# Altium PCB Graviton-EC2.PcbDoc (part 1 of 12) (continued)
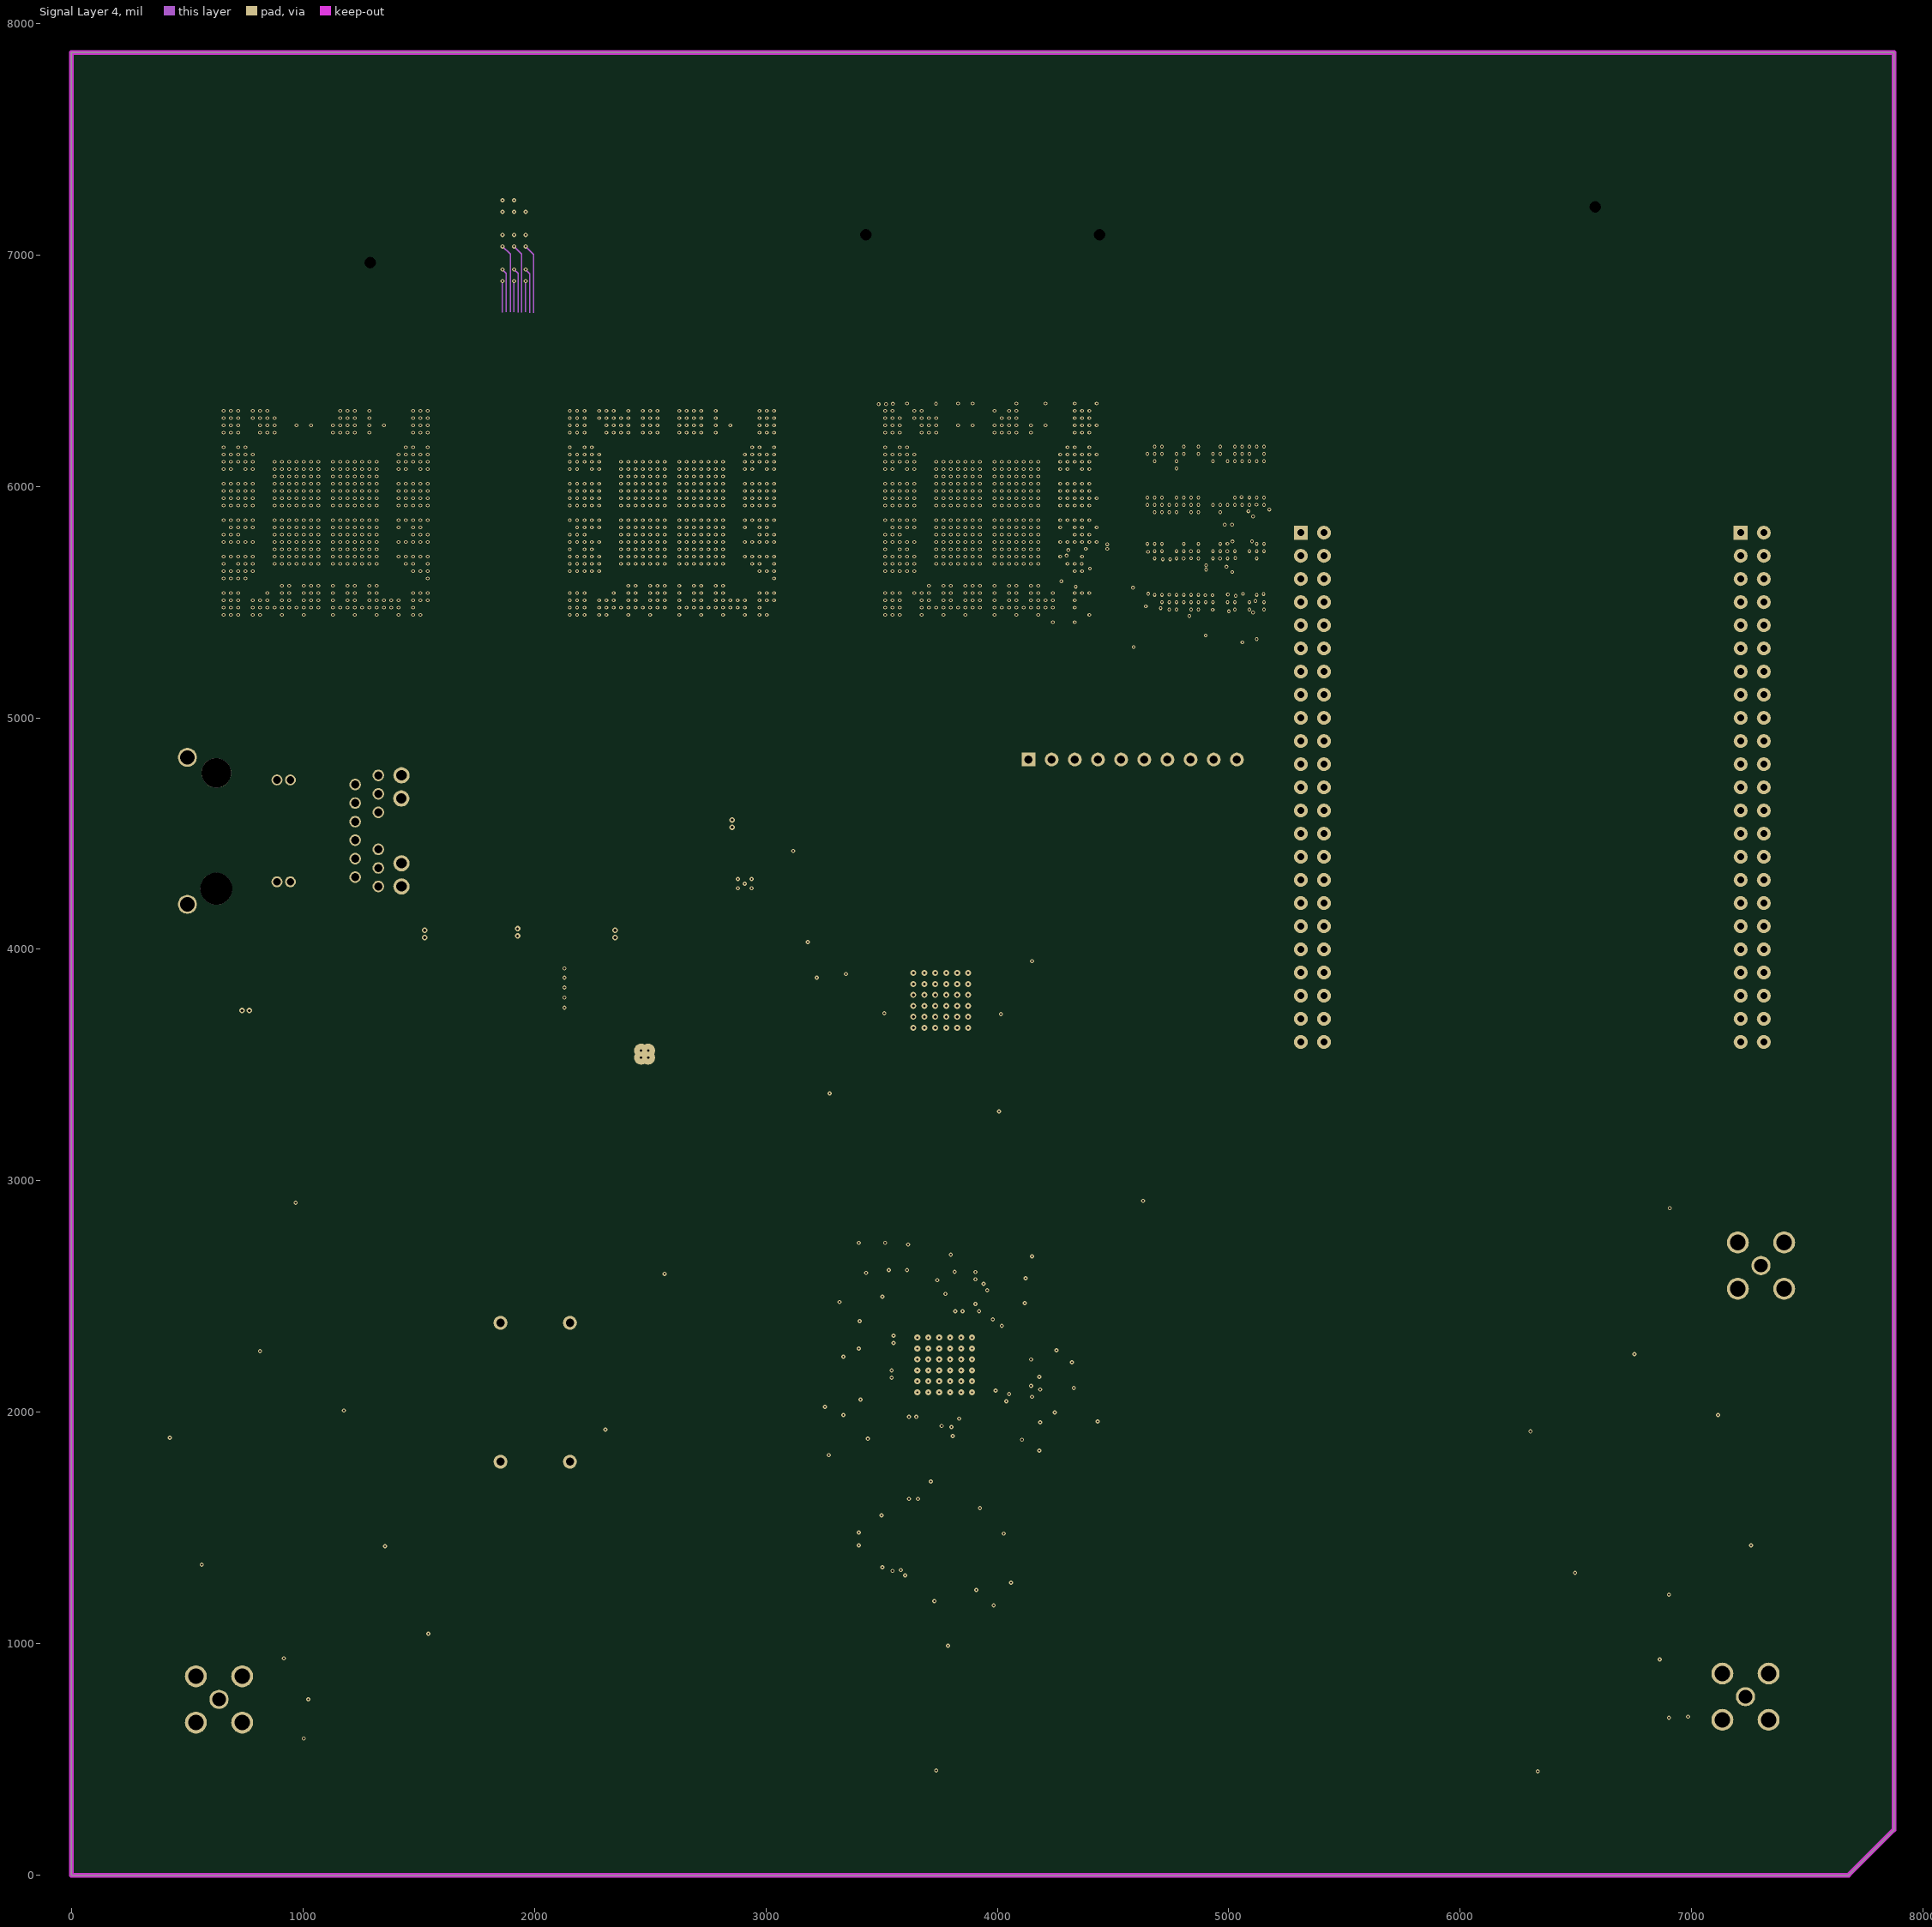
[diagram p8: Signal Layer 4]
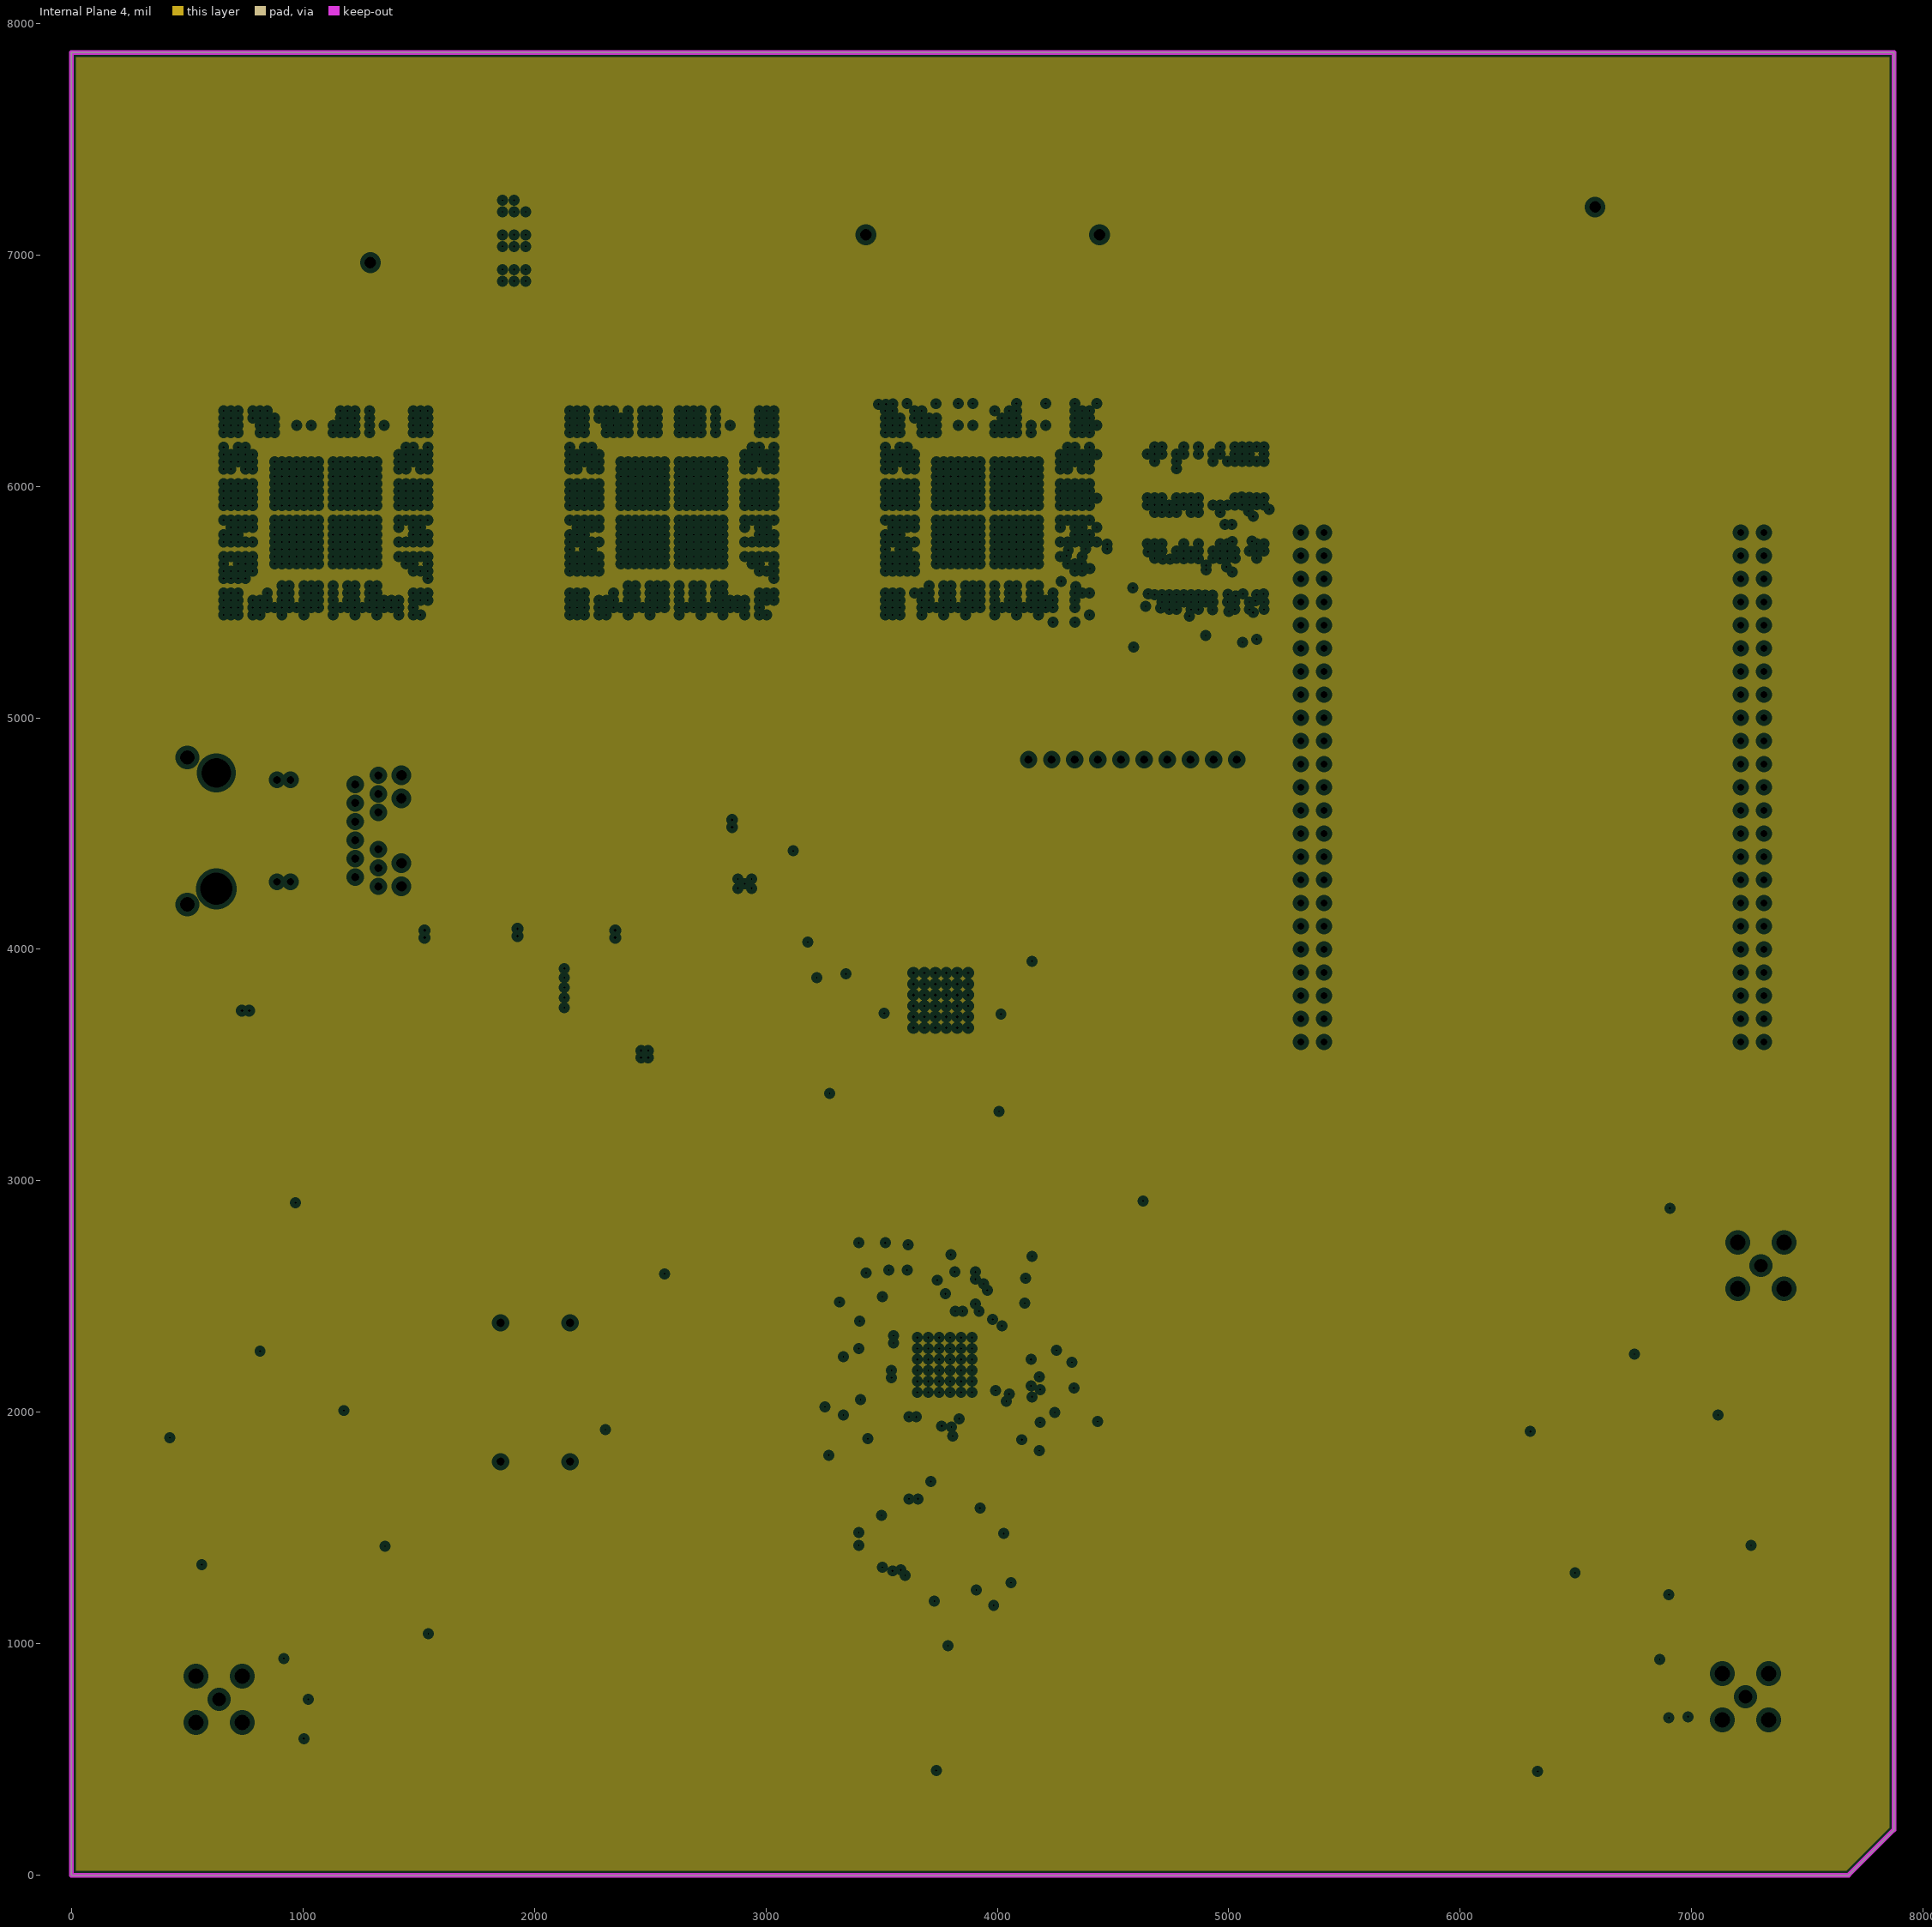
[diagram p9: Internal Plane 4, clearances drawn from the general rule]

## Layer stack, top to bottom
Top Solder: solder mask 0.4, Solder Resist, Dk 3.5
Top Layer: signal copper 1.417
Dielectric 1: core 3.9, FR408, Dk 3.67
Internal Plane 1: plane copper 0.709
Dielectric 2: prepreg 3.9, FR408, Dk 3.67
Signal Layer 1: signal copper 0.709
Dielectric 3: core 3.9, FR408, Dk 3.67
Internal Plane 2: plane copper 1.417
Dielectric 4: prepreg 5, FR408, Dk 4.2
Signal Layer 2: signal copper 0.709
Dielectric 5: core 10, FR408, Dk 4.2
Signal Layer 3: signal copper 0.709
Dielectric 6: prepreg 5, FR408, Dk 4.2
Internal Plane 3: plane copper 0.709
Dielectric 7: core 10, FR408, Dk 4.2
Signal Layer 4: signal copper 0.709
Dielectric 8: prepreg 5, FR408, Dk 4.2
Internal Plane 4: plane copper 0.709
Dielectric 9: core 10, FR408, Dk 4.2
Bottom Layer: signal copper 1.417
Bottom Solder: solder mask 0.4, Solder Resist, Dk 3.5

## Board outline
0,0 7677.17,0 7874.02,196.85 7874.02,7874.02 0,7874.02

## Design rules (kind name [scope] priority, off if disabled: settings)
Clearance Clearance_BGA [WithinRoom('BGA_U19A') Or WithinRoom('BGA_U19B') Or WithinRoom('BGA_U19C')] p1: gap=4
Clearance [All] p2: gap=5
ComponentClearance [All] p1 off: gap=10 collisioncheckmode=3 verticalgap=10 showdistances=FALSE
DiffPairsRouting [All] p1: maxlimit=5 minlimit=3.15 mostfreqgap=3.15 toplayer_mingap=5 toplayer_prefgap=5 toplayer_minwidth=2.99 toplayer_maxwidth=2.99 toplayer_prefwidth=2.99 midlayer2_maxgap=3.15 midlayer2_minwidth=2.99 midlayer2_maxwidth=2.99 midlayer2_prefwidth=2.99 midlayer4_maxgap=3.15 midlayer4_minwidth=2.99 midlayer4_maxwidth=2.99 midlayer4_prefwidth=2.99 midlayer5_maxgap=3.15 midlayer5_minwidth=2.99 midlayer5_maxwidth=2.99 midlayer5_prefwidth=2.99 midlayer7_maxgap=3.15 midlayer7_minwidth=2.99 midlayer7_maxwidth=2.99 midlayer7_prefwidth=2.99 bottomlayer_mingap=5 bottomlayer_prefgap=5 bottomlayer_minwidth=2.99 bottomlayer_maxwidth=2.99 bottomlayer_prefwidth=2.99 maxuncoupledlength=500
FanoutControl Fanout_BGA [IsBGA] p1: bgadir=Out bgaviamode=Centered fanoutstyle=BGA fanoutdirection=Alternating viagrid=1 // Fanout_BGA (Default Rule)
HoleSize [All] p1: absolutevalues=TRUE maxlimit=1000 minlimit=10 maxpercent=80.000 minpercent=20.000
Length "Schematic Length Constraint" [InNet('NetR43_1')] p1: maxlimit=2000 minlimit=0
MatchedLengths MatchedLengths-DDR-DQS0 [InNetClass('DDR-DQS0')] p1: tolerance=20 checknetsindiffpair=FALSE checkdiffpairvsdiffpair=TRUE checkxsignals=TRUE checkothers=TRUE
MatchedLengths MatchedLengths-DDR-ALL [InNetClass('DDR-ALL')] p2: tolerance=2000 checknetsindiffpair=FALSE checkdiffpairvsdiffpair=TRUE checkxsignals=TRUE checkothers=TRUE
MatchedLengths MatchedLengths-DDR-DQS3 [InNetClass('DDR-DQS3')] p3: tolerance=20 checknetsindiffpair=FALSE checkdiffpairvsdiffpair=TRUE checkxsignals=TRUE checkothers=TRUE
MatchedLengths MatchedLengths-DDR-DQS2 [InNetClass('DDR-DQS2')] p4: tolerance=20 checknetsindiffpair=FALSE checkdiffpairvsdiffpair=TRUE checkxsignals=TRUE checkothers=TRUE
MatchedLengths MatchedLengths-DDR-DQS1 [InNetClass('DDR-DQS1')] p5: tolerance=20 checknetsindiffpair=FALSE checkdiffpairvsdiffpair=TRUE checkxsignals=TRUE checkothers=TRUE
MatchedLengths MatchedLengths-P1A.DDRCC [InNetClass('P1A.DDRCC')] p6: tolerance=236.22 checknetsindiffpair=FALSE checkdiffpairvsdiffpair=TRUE checkxsignals=TRUE checkothers=TRUE
MatchedLengths MatchedLengths-P1A.SDRCC [InNetClass('P1A.SDRCC')] p7: tolerance=236.22 checknetsindiffpair=FALSE checkdiffpairvsdiffpair=TRUE checkxsignals=TRUE checkothers=TRUE
MatchedLengths MatchedLengths-P1B.DDRCC [InNetClass('P1B.DDRCC')] p8: tolerance=236.22 checknetsindiffpair=FALSE checkdiffpairvsdiffpair=TRUE checkxsignals=TRUE checkothers=TRUE
MatchedLengths MatchedLengths-P1B.SDRCC [InNetClass('P1B.SDRCC')] p9: tolerance=236.22 checknetsindiffpair=FALSE checkdiffpairvsdiffpair=TRUE checkxsignals=TRUE checkothers=TRUE
MatchedLengths MatchedLengths-P2A.DDRCC [InNetClass('P2A.DDRCC')] p10: tolerance=236.22 checknetsindiffpair=FALSE checkdiffpairvsdiffpair=TRUE checkxsignals=TRUE checkothers=TRUE
MatchedLengths MatchedLengths-P2A.SDRCC [InNetClass('P2A.SDRCC')] p11: tolerance=236.22 checknetsindiffpair=FALSE checkdiffpairvsdiffpair=TRUE checkxsignals=TRUE checkothers=TRUE
MatchedLengths MatchedLengths-P2B.DDRCC [InNetClass('P2B.DDRCC')] p12: tolerance=236.22 checknetsindiffpair=FALSE checkdiffpairvsdiffpair=TRUE checkxsignals=TRUE checkothers=TRUE
MatchedLengths MatchedLengths-P2BSDRCC [InNetClass('P2B.SDRCC')] p13: tolerance=236.22 checknetsindiffpair=FALSE checkdiffpairvsdiffpair=TRUE checkxsignals=TRUE checkothers=TRUE
MatchedLengths MatchedLengths-GPMC [InNetClass('GPMC')] p14: tolerance=236.22 checknetsindiffpair=FALSE checkdiffpairvsdiffpair=TRUE checkxsignals=TRUE checkothers=TRUE
PlaneClearance [All] p1: clearance=20
PlaneConnect [All] p1: planeconnectstyle=Relief reliefexpansion=20 reliefentries=4 reliefconductorwidth=10 reliefairgap=10
PolygonConnect [All] p1: connectstyle=Direct reliefconductorwidth=10 reliefentries=4 polygonreliefangle="90 Angle" airgapwidth=10
RoomDefinition ENET-FPGA_7 [InComponentClass('ENET-FPGA')] p1: confinementstyle=ConfineIn formatcopy=TRUE lockcomponents=FALSE outline 7910.23,663.69 8382.68,663.69 8382.68,1096.76 7910.23,1096.76
RoomDefinition ENET-FPGA_6 [InComponentClass('ENET-FPGA')] p2: confinementstyle=ConfineIn formatcopy=TRUE lockcomponents=FALSE outline 7910.23,663.69 8382.68,663.69 8382.68,1096.76 7910.23,1096.76
RoomDefinition ENET-FPGA_5 [InComponentClass('ENET-FPGA')] p3: confinementstyle=ConfineIn formatcopy=TRUE lockcomponents=FALSE outline 7910.23,663.69 8382.68,663.69 8382.68,1096.76 7910.23,1096.76
RoomDefinition ENET-FPGA_4 [InComponentClass('ENET-FPGA')] p4: confinementstyle=ConfineIn formatcopy=TRUE lockcomponents=FALSE outline 7910.23,663.69 8382.68,663.69 8382.68,1096.76 7910.23,1096.76
RoomDefinition ENET-FPGA_3 [InComponentClass('ENET-FPGA')] p5: confinementstyle=ConfineIn formatcopy=TRUE lockcomponents=FALSE outline 7910.23,663.69 8382.68,663.69 8382.68,1096.76 7910.23,1096.76
RoomDefinition ENET-FPGA_2 [InComponentClass('ENET-FPGA')] p6: confinementstyle=ConfineIn formatcopy=TRUE lockcomponents=FALSE outline 7910.23,663.69 8382.68,663.69 8382.68,1096.76 7910.23,1096.76
RoomDefinition ENET-FPGA_1 [InComponentClass('ENET-FPGA')] p7: confinementstyle=ConfineIn formatcopy=TRUE lockcomponents=FALSE outline 7910.23,663.69 8382.68,663.69 8382.68,1096.76 7910.23,1096.76
RoomDefinition ENET-FPGA [InComponentClass('ENET-FPGA')] p8: confinementstyle=ConfineIn formatcopy=TRUE lockcomponents=FALSE outline -2483.47,-2446.55 -483.47,-2446.55 -483.47,-1446.55 -2483.47,-1446.55
RoomDefinition ENET-FPGA [InComponentClass('ENET-FPGA')] p9: confinementstyle=ConfineIn formatcopy=TRUE lockcomponents=FALSE outline 13405.51,23744.09 20708.66,23744.09 20708.66,24854.33 13405.51,24854.33
RoomDefinition SW1V2 [InComponentClass('SW1V2')] p10: confinementstyle=ConfineIn formatcopy=TRUE lockcomponents=FALSE outline 1720.47,9051.18 2090.55,9051.18 2090.55,9468.5 1720.47,9468.5
RoomDefinition SW1V5 [InComponentClass('SW1V5')] p11: confinementstyle=ConfineIn formatcopy=TRUE lockcomponents=FALSE outline 2090.55,9051.18 2460.63,9051.18 2460.63,9468.5 2090.55,9468.5
RoomDefinition SW2V5 [InComponentClass('SW2V5')] p12: confinementstyle=ConfineIn formatcopy=TRUE lockcomponents=FALSE outline 2460.63,9051.18 2830.71,9051.18 2830.71,9468.5 2460.63,9468.5
RoomDefinition SW3V3 [InComponentClass('SW3V3')] p13: confinementstyle=ConfineIn formatcopy=TRUE lockcomponents=FALSE outline 2830.71,9051.18 3200.79,9051.18 3200.79,9468.5 2830.71,9468.5
RoomDefinition SW1V8 [InComponentClass('SW1V8')] p14: confinementstyle=ConfineIn formatcopy=TRUE lockcomponents=FALSE outline 1350.39,9051.18 1720.47,9051.18 1720.47,9468.5 1350.39,9468.5
RoomDefinition U_TXPA1B [InComponentClass('U_TXPA1B')] p15: confinementstyle=ConfineIn formatcopy=TRUE lockcomponents=FALSE outline 535.43,1133.86 1405.51,1133.86 1405.51,1610.24 535.43,1610.24
RoomDefinition U_TXPA1A [InComponentClass('U_TXPA1A')] p16: confinementstyle=ConfineIn formatcopy=TRUE lockcomponents=FALSE outline 6472.44,1096.46 7342.52,1096.46 7342.52,1572.83 6472.44,1572.83
RoomDefinition U_TXPA0B [InComponentClass('U_TXPA0B')] p17: confinementstyle=ConfineIn formatcopy=TRUE lockcomponents=FALSE outline 393.7,1681.1 1263.78,1681.1 1263.78,2157.48 393.7,2157.48
RoomDefinition U_TXPA0A [InComponentClass('U_TXPA0A')] p18: confinementstyle=ConfineIn formatcopy=TRUE lockcomponents=FALSE outline 6330.71,1663.39 7200.79,1663.39 7200.79,2139.76 6330.71,2139.76
RoomDefinition U_RXMIXB [InComponentClass('U_RXMIXB')] p19: confinementstyle=ConfineIn formatcopy=TRUE lockcomponents=FALSE outline 19370.08,1854.33 20153.54,1854.33 20153.54,2688.98 19370.08,2688.98
RoomDefinition U_RXMIXA [InComponentClass('U_RXMIXA')] p20: confinementstyle=ConfineIn formatcopy=TRUE lockcomponents=FALSE outline 20405.51,2003.94 21417.32,2003.94 21417.32,2637.8 20405.51,2637.8
RoomDefinition U_RFTXB [InComponentClass('U_RFTXB')] p21: confinementstyle=ConfineIn formatcopy=TRUE lockcomponents=FALSE outline 385.83,2216.54 2062.99,2216.54 2062.99,3240.16 385.83,3240.16
RoomDefinition U_RFTXA [InComponentClass('U_RFTXA')] p22: confinementstyle=ConfineIn formatcopy=TRUE lockcomponents=FALSE outline 6322.83,2195.87 8000,2195.87 8000,3219.49 6322.83,3219.49
RoomDefinition U_RFRXB [InComponentClass('U_RFRXB')] p23: confinementstyle=ConfineIn formatcopy=TRUE lockcomponents=FALSE outline 21696.85,2157.48 22578.74,2157.48 22578.74,2763.78 21696.85,2763.78
RoomDefinition U_RFRXA [InComponentClass('U_RFRXA')] p24: confinementstyle=ConfineIn formatcopy=TRUE lockcomponents=FALSE outline 23011.81,2255.91 23716.54,2255.91 23716.54,2814.96 23011.81,2814.96
RoomDefinition U_RFLNA1B [InComponentClass('U_RFLNA1B')] p25: confinementstyle=ConfineIn formatcopy=TRUE lockcomponents=FALSE outline 16484.25,4889.76 17673.23,4889.76 17673.23,6429.13 16484.25,6429.13
RoomDefinition U_RFLNA1A [InComponentClass('U_RFLNA1A')] p26: confinementstyle=ConfineIn formatcopy=TRUE lockcomponents=FALSE outline 17850.39,4736.22 18937.01,4736.22 18937.01,6381.89 17850.39,6381.89
RoomDefinition U_RFLNA0B [InComponentClass('U_RFLNA0B')] p27: confinementstyle=ConfineIn formatcopy=TRUE lockcomponents=FALSE outline 19165.35,4787.4 20228.35,4787.4 20228.35,6303.15 19165.35,6303.15
RoomDefinition U_RFLNA0A [InComponentClass('U_RFLNA0A')] p28: confinementstyle=ConfineIn formatcopy=TRUE lockcomponents=FALSE outline 20555.12,4811.02 22098.43,4811.02 22098.43,6228.35 20555.12,6228.35
RoomDefinition U_RFAMPB [InComponentClass('U_RFAMPB')] p29: confinementstyle=ConfineIn formatcopy=TRUE lockcomponents=FALSE outline 22326.77,4811.02 23716.54,4811.02 23716.54,6303.15 22326.77,6303.15
RoomDefinition U_DSA1B [InComponentClass('U_DSA1B')] p30: confinementstyle=ConfineIn formatcopy=TRUE lockcomponents=FALSE outline 16460.63,3015.75 17649.61,3015.75 17649.61,4559.06 16460.63,4559.06
RoomDefinition U_DSA1A [InComponentClass('U_DSA1A')] p31: confinementstyle=ConfineIn formatcopy=TRUE lockcomponents=FALSE outline 4240.16,3459.65 4240.16,2765.75 5036.42,2765.75 5036.42,3459.65
RoomDefinition U_DSA0B [InComponentClass('U_DSA0B')] p32: confinementstyle=ConfineIn formatcopy=TRUE lockcomponents=FALSE outline 17877.95,3118.11 18838.58,3118.11 18838.58,4507.87 17877.95,4507.87
RoomDefinition U_DSA0A [InComponentClass('U_DSA0A')] p33: confinementstyle=ConfineIn formatcopy=TRUE lockcomponents=FALSE outline 19090.55,3267.72 20507.87,3267.72 20507.87,4405.51 19090.55,4405.51
RoomDefinition U_AntennaB [InComponentClass('U_AntennaB')] p34: confinementstyle=ConfineIn formatcopy=TRUE lockcomponents=FALSE outline 20708.66,3267.72 22000,3267.72 22000,4381.89 20708.66,4381.89
RoomDefinition U_AntennaA [InComponentClass('U_AntennaA')] p35: confinementstyle=ConfineIn formatcopy=TRUE lockcomponents=FALSE outline 22177.17,3244.09 23767.72,3244.09 23767.72,4381.89 22177.17,4381.89
RoomDefinition FPGAPWRB [InComponentClass('FPGAPWRB')] p36: confinementstyle=ConfineIn formatcopy=TRUE lockcomponents=FALSE outline 7933.07,30000 14826.77,30000 14826.77,30374.02 7933.07,30374.02
RoomDefinition FPGAPWRA [InComponentClass('FPGAPWRA')] p37: confinementstyle=ConfineIn formatcopy=TRUE lockcomponents=FALSE outline 7972.44,29732.28 14850.39,29732.28 14850.39,29956.69 7972.44,29956.69
RoomDefinition FPGA8B [InComponentClass('FPGA8B')] p38: confinementstyle=ConfineIn formatcopy=TRUE lockcomponents=FALSE outline 7952.76,29405.51 14818.9,29405.51 14818.9,29677.17 7952.76,29677.17
RoomDefinition FPGA8A [InComponentClass('FPGA8A')] p39: confinementstyle=ConfineIn formatcopy=TRUE lockcomponents=FALSE outline 8007.87,29102.36 14807.09,29102.36 14807.09,29374.02 8007.87,29374.02
RoomDefinition FPGA7B [InComponentClass('FPGA7B')] p40: confinementstyle=ConfineIn formatcopy=TRUE lockcomponents=FALSE outline 8007.87,28661.42 11665.35,28661.42 11665.35,28988.19 8007.87,28988.19
RoomDefinition FPGA7A [InComponentClass('FPGA7A')] p41: confinementstyle=ConfineIn formatcopy=TRUE lockcomponents=FALSE outline 7968.5,28377.95 11677.17,28377.95 11677.17,28606.3 7968.5,28606.3
RoomDefinition FPGA6B [InComponentClass('FPGA6B')] p42: confinementstyle=ConfineIn formatcopy=TRUE lockcomponents=FALSE outline 8082.68,27948.82 11708.66,27948.82 11708.66,28291.34 8082.68,28291.34
RoomDefinition FPGA6A [InComponentClass('FPGA6A')] p43: confinementstyle=ConfineIn formatcopy=TRUE lockcomponents=FALSE outline 8039.37,27606.3 11692.91,27606.3 11692.91,27917.32 8039.37,27917.32
RoomDefinition FPGA4B [InComponentClass('FPGA4B')] p44: confinementstyle=ConfineIn formatcopy=TRUE lockcomponents=FALSE outline 7968.5,27291.34 10023.62,27291.34 10023.62,27606.3 7968.5,27606.3
RoomDefinition FPGA4A [InComponentClass('FPGA4A')] p45: confinementstyle=ConfineIn formatcopy=TRUE lockcomponents=FALSE outline 7980.32,26948.82 10507.87,26948.82 10507.87,27263.78 7980.32,27263.78
RoomDefinition FPGA3B [InComponentClass('FPGA3B')] p46: confinementstyle=ConfineIn formatcopy=TRUE lockcomponents=FALSE outline 7980.32,26618.11 11866.14,26618.11 11866.14,26905.51 7980.32,26905.51
RoomDefinition FPGA3A [InComponentClass('FPGA3A')] p47: confinementstyle=ConfineIn formatcopy=TRUE lockcomponents=FALSE outline 7980.32,26318.9 11858.27,26318.9 11858.27,26570.87 7980.32,26570.87
RoomDefinition FPGA2B [InComponentClass('FPGA2B')] p48: confinementstyle=ConfineIn formatcopy=TRUE lockcomponents=FALSE outline 7960.63,25917.32 11578.74,25917.32 11578.74,26259.84 7960.63,26259.84
RoomDefinition FPGA2A [InComponentClass('FPGA2A')] p49: confinementstyle=ConfineIn formatcopy=TRUE lockcomponents=FALSE outline 7980.32,25578.74 11606.3,25578.74 11606.3,25889.76 7980.32,25889.76
RoomDefinition FPGA1B [InComponentClass('FPGA1B')] p50: confinementstyle=ConfineIn formatcopy=TRUE lockcomponents=FALSE outline 7980.32,25216.54 10728.35,25216.54 10728.35,25539.37 7980.32,25539.37
RoomDefinition FPGA1A [InComponentClass('FPGA1A')] p51: confinementstyle=ConfineIn formatcopy=TRUE lockcomponents=FALSE outline 7968.5,24893.7 10700.79,24893.7 10700.79,25169.29 7968.5,25169.29
RoomDefinition FPGA0B [InComponentClass('FPGA0B')] p52: confinementstyle=ConfineIn formatcopy=TRUE lockcomponents=FALSE outline 7960.63,24523.62 11968.5,24523.62 11968.5,24854.33 7960.63,24854.33
RoomDefinition FPGA0A [InComponentClass('FPGA0A')] p53: confinementstyle=ConfineIn formatcopy=TRUE lockcomponents=FALSE outline 7960.63,24192.91 11929.13,24192.91 11929.13,24484.25 7960.63,24484.25
RoomDefinition U_sdram [InComponentClass('U_sdram')] p54: confinementstyle=ConfineIn formatcopy=TRUE lockcomponents=FALSE outline 9401.57,16645.67 13122.05,16645.67 13122.05,17559.06 9401.57,17559.06
RoomDefinition U_RFAMPA [InComponentClass('U_RFAMPA')] p55: confinementstyle=ConfineIn formatcopy=TRUE lockcomponents=FALSE outline 4574.8,1783.46 5358.27,1783.46 5358.27,2523.62 4574.8,2523.62
RoomDefinition U_processing [InComponentClass('U_processing')] p56: confinementstyle=ConfineIn formatcopy=TRUE lockcomponents=FALSE outline 7851.17,15958.96 8638.58,15958.96 8638.58,17435.34 7851.17,17435.34
RoomDefinition U_power [InComponentClass('U_power')] p57: confinementstyle=ConfineIn formatcopy=TRUE lockcomponents=FALSE outline 17031.5,6653.54 23740.16,6653.54 23740.16,7948.82 17031.5,7948.82
RoomDefinition U_lo-synth [InComponentClass('U_lo-synth')] p58: confinementstyle=ConfineIn formatcopy=TRUE lockcomponents=FALSE outline 4124.02,1153.74 3521.65,1153.74 3521.65,661.61 4124.02,661.61
RoomDefinition U_interlinkP2A [InComponentClass('U_interlinkP2A')] p59: confinementstyle=ConfineIn formatcopy=TRUE lockcomponents=FALSE outline 7949.6,18295.28 8540.15,18295.28 8540.15,18814.96 7949.6,18814.96
RoomDefinition U_interlinkP1A [InComponentClass('U_interlinkP1A')] p60: confinementstyle=ConfineIn formatcopy=TRUE lockcomponents=FALSE outline 9480.32,18342.52 10744.09,18342.52 10744.09,18826.77 9480.32,18826.77
RoomDefinition U_host-mcu [InComponentClass('U_host-mcu')] p61: confinementstyle=ConfineIn formatcopy=TRUE lockcomponents=TRUE outline 7386.22,6574.8 5236.22,6574.8 5236.22,3174.8 7386.22,3174.8
RoomDefinition U_ethernet [InComponentClass('U_ethernet')] p62: confinementstyle=ConfineIn formatcopy=TRUE lockcomponents=FALSE outline 4921.26,17421.26 4921.26,13799.21 6578.74,13799.21 6578.74,17421.26
RoomDefinition U_DAC [InComponentClass('U_DAC')] p63: confinementstyle=ConfineIn formatcopy=TRUE lockcomponents=FALSE outline -1403.24,4685.04 -1403.24,2680.32 -714.27,2680.32 -714.27,4685.04